# Allegro board 1281021_HW-FMC-XM500_Rev1_0.brd (continued)
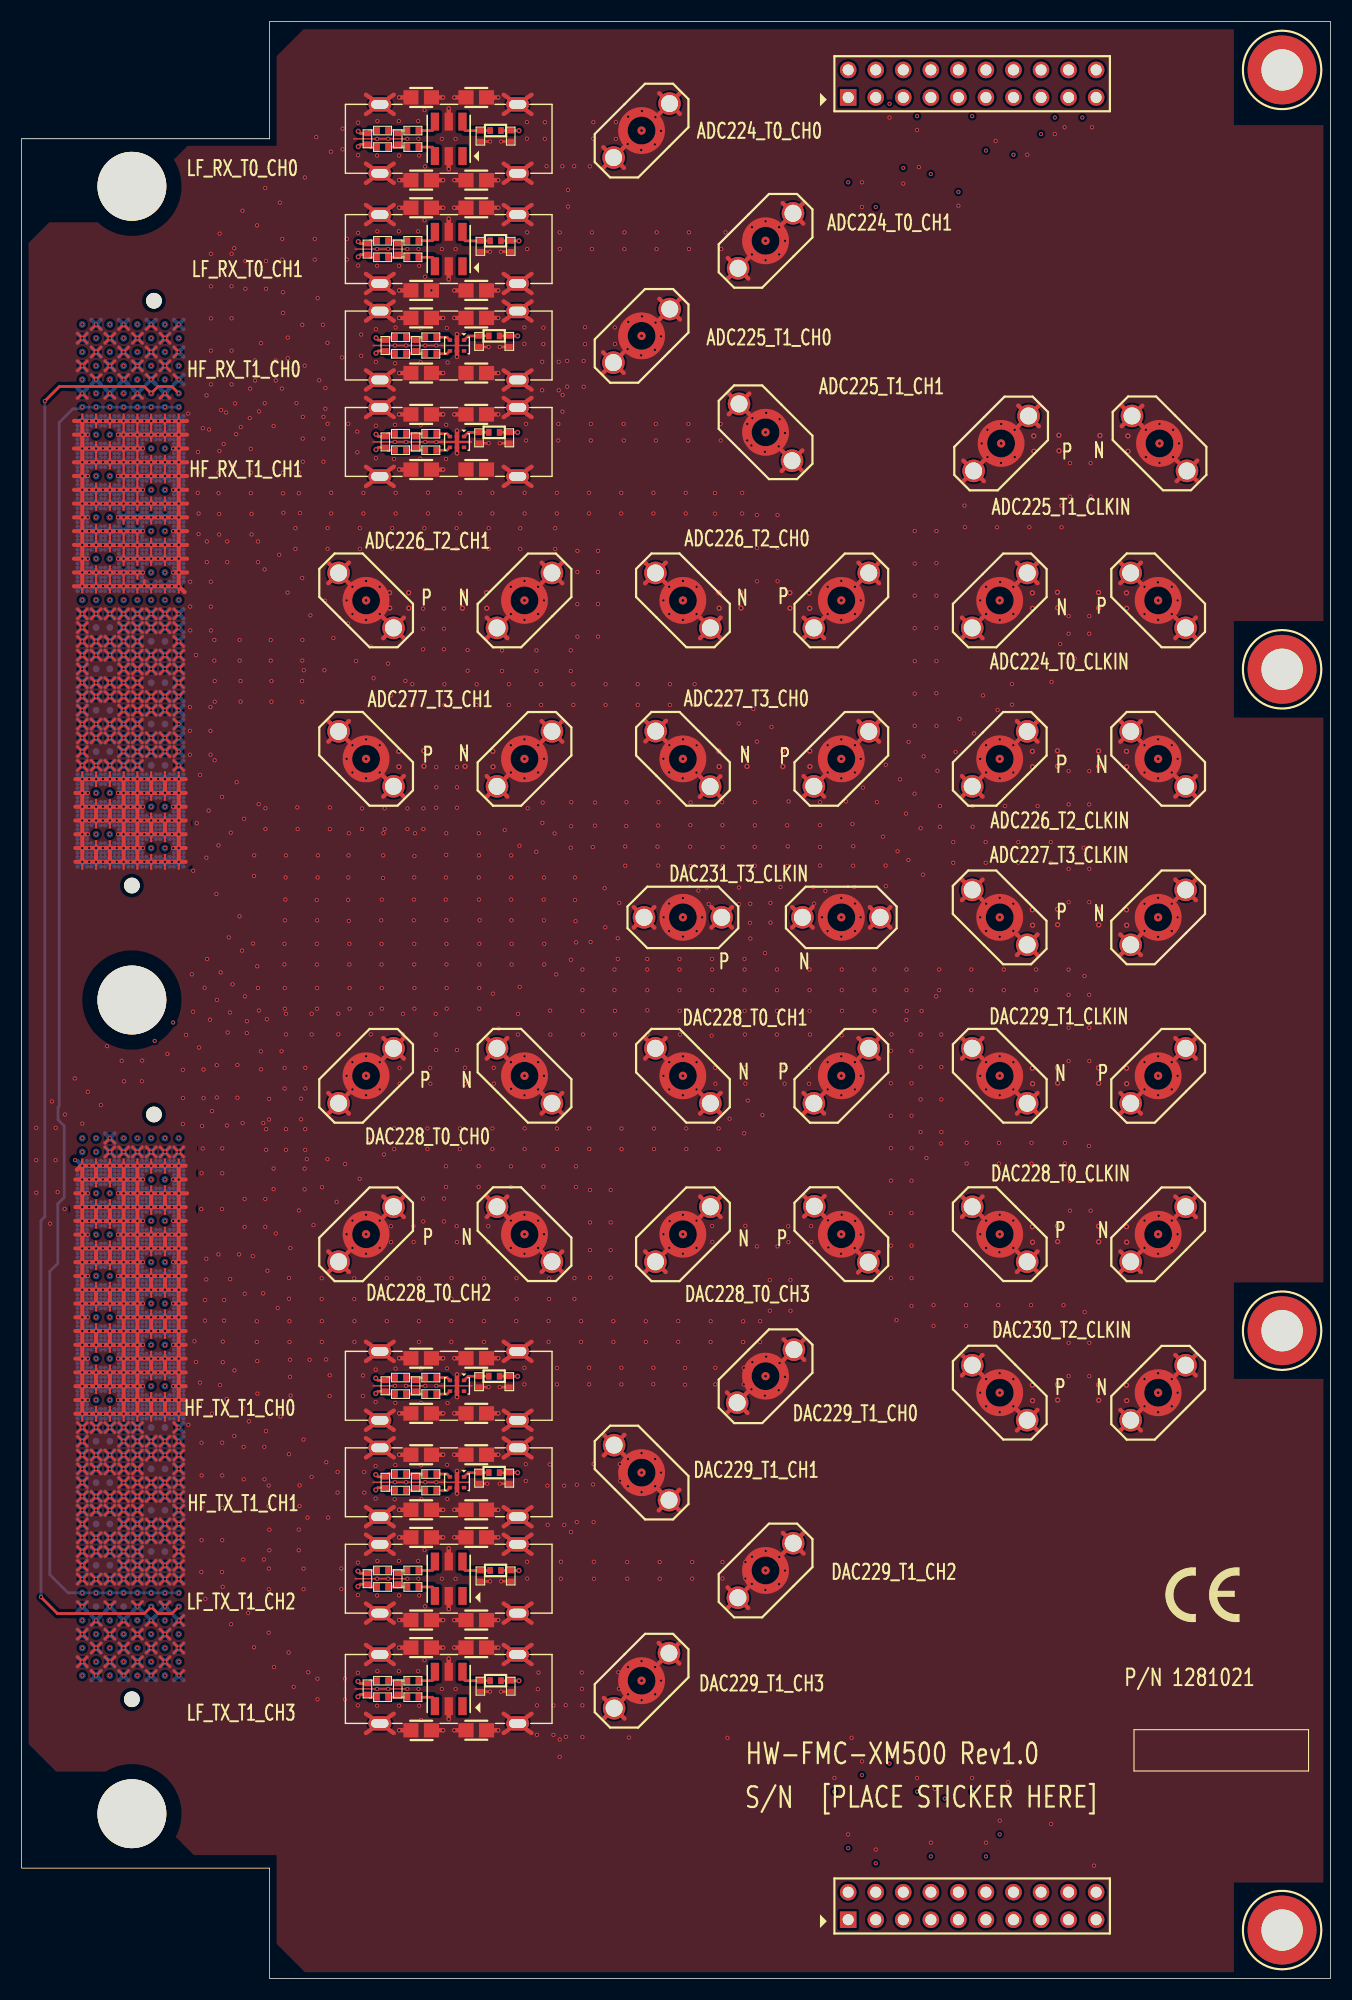
[diagram p0: board, top side]
## Copper pours and planes (outline as drawn; the poured copper is in the pictures) (continued)
AGND on L02_GND/RF-SIG (solid shape): 15.77,130.97 16.04,130.79 16.26,130.72 16.59,130.67 16.44,130.56 16.1,130.56 15.75,130.74 15.52,130.72 12.46,130.71 12.45,130.72 12.45,130.89 12.53,130.97
AGND on TOP: 25.97,179.64 111.76,179.64 111.76,170.81 120.02,170.81 120.02,125.09 111.76,125.09 111.76,116.21 120.02,116.21 120.02,64.13 111.76,64.13 111.76,55.24 120.02,55.24 120.02,8.82 111.76,8.82 111.76,0.57 26.1,0.57 23.5,3.17 23.5,11.36 15.88,11.36 14.2,13.03 14.6,14.07 14.73,15.17 13.39,18.4 10.16,19.74 8.9,19.57 7.74,19.05 3.17,19.05 0.63,21.59 0.63,159.95 2.54,161.86 7.01,161.86 8.46,160.92 10.16,160.6 13.39,161.94 14.73,165.17 14.55,166.45 14.02,167.62 15.31,168.91 23.5,168.91 23.5,177.17 ; 43 cut-outs
AGND on TOP: 3.68,153.7 3.68,101.63 16.38,101.63 16.38,153.7
AGND on TOP: 3.68,78.77 3.68,26.7 16.38,26.7 16.38,78.77
AGND on BOTTOM: 25.97,179.64 111.76,179.64 111.76,170.81 120.02,170.81 120.02,125.09 111.76,125.09 111.76,116.21 120.02,116.21 120.02,64.13 111.76,64.13 111.76,55.24 120.02,55.24 120.02,8.82 111.76,8.82 111.76,0.57 26.1,0.57 23.5,3.17 23.5,11.43 15.81,11.43 14.2,13.03 14.6,14.07 14.73,15.17 13.39,18.4 10.16,19.74 8.9,19.57 7.74,19.05 3.17,19.05 0.63,21.59 0.63,33.13 2.34,34.83 2.34,35.39 2.74,35.79 3.3,35.79 3.3,65.11 3.86,65.67 3.86,71.15 4.45,71.74 4.45,78.8 3.25,79.99 3.25,145.07 0.63,147.68 0.63,159.95 2.54,161.86 7.01,161.86 8.46,160.92 10.16,160.6 13.39,161.94 14.73,165.17 14.55,166.45 14.02,167.62 15.31,168.91 23.5,168.91 23.5,177.17 ; 41 cut-outs
AGND on L02_GND/RF-SIG: 0.63,159.95 2.54,161.86 12.7,161.86 13.97,163.13 13.97,167.57 15.24,168.84 23.5,168.84 23.5,177.1 26.04,179.64 111.76,179.64 111.76,170.75 120.02,170.75 120.02,125.03 111.76,125.03 111.76,116.14 120.02,116.14 120.02,64.07 111.76,64.07 111.76,55.18 120.02,55.18 120.02,8.82 111.76,8.82 111.76,1.2 25.4,1.2 23.5,3.11 23.5,11.36 15.88,11.36 13.97,13.27 13.97,17.71 12.7,18.98 3.17,18.98 0.63,21.52 ; 96 cut-outs
AGND on L03_GND: 2.54,161.86 0.63,159.95 0.63,21.59 3.17,19.05 12.7,19.05 13.97,17.78 13.97,13.27 15.88,11.36 23.5,11.36 23.5,3.17 25.4,1.27 111.76,1.27 111.76,8.89 120.02,8.89 120.02,55.24 111.76,55.24 111.76,64.13 120.02,64.13 120.02,116.21 111.76,116.21 111.76,125.09 120.02,125.09 120.02,170.81 111.76,170.81 111.76,179.64 25.97,179.64 23.5,177.17 23.5,168.91 15.31,168.91 13.97,167.57 13.97,163.13 12.7,161.86 ; 40 cut-outs
AGND on L04_GND: 2.54,161.86 0.63,159.95 0.63,21.59 3.88,18.35 13.4,18.35 13.97,17.78 13.97,13.27 15.88,11.36 23.5,11.36 23.5,3.17 25.4,1.27 111.76,1.27 111.76,8.89 119.38,8.89 119.38,55.24 111.76,55.24 111.76,64.13 120.02,64.13 120.02,116.21 111.76,116.21 111.76,125.09 120.02,125.09 120.02,170.81 111.76,170.81 111.76,179.64 25.97,179.64 23.5,177.17 23.5,168.91 15.31,168.91 13.97,167.57 13.97,163.13 12.7,161.86 ; 42 cut-outs
(no net) on L05_SIG: 12.7,161.86 13.97,163.13 13.97,167.57 15.31,168.91 23.5,168.91 23.5,177.17 25.97,179.64 111.76,179.64 111.76,170.81 120.02,170.81 120.02,125.09 111.76,125.09 111.76,116.21 120.02,116.21 120.02,64.13 111.76,64.13 111.76,55.24 120.02,55.24 120.02,8.89 111.76,8.89 111.76,1.27 25.4,1.27 23.5,3.17 23.5,11.36 15.88,11.36 13.97,13.27 13.97,17.08 12.7,18.35 3.88,18.35 0.63,21.59 0.63,159.95 2.54,161.86 ; 62 cut-outs

Small or netless copper shapes (teardrops, artwork), in the pictures only: 4 on TOP, 1 on L02_GND/RF-SIG

## Text on the board
BOTTOM: 06 | L06_BOTTOM
Board Geometry/Soldermask Bottom: L10_BOT_MASK
Package Geometry/Pastemask Bottom: 12 | L12_BOT_PASTE
Ref Des/Silkscreen Bottom: 2018 Xilinx, Incorporated | 08 | L08_BOT_SILK | c
User.Comments: 09 | 10
TOP: 01 | L01_TOP
Board Geometry/Soldermask Top: L09_TOP_MASK
Package Geometry/Pastemask Top: 11 | L11_TOP_PASTE
Ref Des/Silkscreen Top: 07 | L07_TOP_SILK | HF_TX_T1_CH0 | LF_RX_T0_CH0 | LF_TX_T1_CH2 | LF_TX_T1_CH3 | HF_RX_T1_CH0 | HF_TX_T1_CH1 | HF_RX_T1_CH1 | LF_RX_T0_CH1 | DAC228_T0_CH0 | ADC226_T2_CH1 | DAC228_T0_CH2 | ADC277_T3_CH1 | P | N | DAC231_T3_CLKIN | DAC228_T0_CH1 | ADC227_T3_CH0 | ADC226_T2_CH0 | DAC228_T0_CH3 | DAC229_T1_CH1 | ADC224_T0_CH0 | DAC229_T1_CH3 | ADC225_T1_CH0 | DAC229_T1_CH0 | ADC225_T1_CH1 | ADC224_T0_CH1 | DAC229_T1_CH2 | DAC229_T1_CLKIN | ADC227_T3_CLKIN | ADC224_T0_CLKIN | ADC226_T2_CLKIN | DAC228_T0_CLKIN | ADC225_T1_CLKIN | DAC230_T2_CLKIN | P/N 1281021 | S/N | HW-FMC-XM500 Rev1.0 | [PLACE STICKER HERE]
L02_GND/RF-SIG: 02 | L02_SIGNAL
L03_GND: 03 | L03+GND
L04_GND: 04 | L04_GND
L05_SIG: 05 | L05_SIGNAL
XSECTION_CHART: *  SURFACE - AIR 0 MIL(+0/-0) | *  DIELECTRIC - CONFORMAL_COAT 0.8 MIL(+0/-0) | L1 TOP CONDUCTOR - 05OZ_COPPER 2 MIL(+0/-0) | *  DIELECTRIC - P_1067-SPLDK[745]2H 2.63 MIL(+0/-0) | L2 L02_GND/RF-SIG PLANE - 05OZ_HVLP_CU 0.6 MIL(+0/-0) | *  DIELECTRIC - C_2X1067-SPLDK[745] 5 MIL(+0/-0) | L3 L03_GND PLANE - 05OZ_COPPER 0.6 MIL(+0/-0) | *  DIELECTRIC - 370_PRE_1080(66) 8.21 MIL(+0/-0) | *  DIELECTRIC - 370_CORE_1080 21 MIL(+0/-0) | *  DIELECTRIC - 370_PRE_1080(66) 5.6 MIL(+0/-0) | L4 L04_GND PLANE - 05OZ_COPPER 0.6 MIL(+0/-0) | L5 L05_SIG CONDUCTOR - 05OZ_HVLP_CU 0.6 MIL(+0/-0) | *  DIELECTRIC - P_1067-SPLDK[745]2H 2.4 MIL(+0/-0) | L6 BOTTOM PLANE - 05OZ_COPPER 2 MIL(+0/-0) | TOTAL THICKNESS 92.31 MIL | DESIGN CROSS SECTION CHART | ___________________________ | 1-6 | 1-2
PAGE_OUTLINE: R | DATE | SCALE | SIZE | 1.0 | REV | DESCRIPTION | REVISIONS | APPROVED | NONE | UNLESS OTHERWISE SPECIFIED | DIMENSIONS ARE IN INCHES | TOLERANCES ON; | 2 PL DECIMALS +/- .010 | 3 PL DECIMALS +/- .005 | ANGLES + | FRACTIONS + | DRAWN | CHECKED | ENGRG | ISSUED | SIGNATURES | SAN JOSE, CA 95124 | 2100 LOGIC DR. | HWCP - HARDWARE & CONFIGURATION PLATFORMS | 06/14/18 | 01/25/18 | XXXXXX | GREG I. | ARTWORK, ROHS COMPLIANT, HW-FMC-XM500 | PCB #    1281021 | Designed by Xilinx | BOARD designer: | SHEET     OF 12 | DATE: | LAYER: | PHONE: | XILINX DOC USE ONLY | REVISION: 1.0 | 06/14/2018 | 408-879-6870 | FSCM NO | DWG NO | SHEET | VER | D | 01
DIMENSION: - | OUTER | INNER | LAYERS | LAYER | SINGLE | ENDED | LINE | WIDTH | 9mil | 5mil | DIFF | PAIR | 10mil | SPACE | 50 OHMS  100 OHMS | SINGLE   DIFF | +/- 5% | 1281021 | LINE WIDTH IMPEDANCE CHART [MILS] | 07_ | 08_ | 01_ | 02_ | 03_ | 04_ | 05_ | 06_ | FINISH: PLATE SELECTIVE HARD GOLD FINISH OF 2-10 MICRO INCHES OVER | SILKSCREEN TOP SIDE/BOTH SIDES WITH NON-CONDUCTIVE EPOXY BASED INK. | VENDOR LOGO AND DATE CODE TO BE MAKED FAR SIDE. | BOARD SHALL MEET  THE INSPECTION CRITERIA | MATERIAL: ISOLA ISPEED  THICKNESS .094" +/- 10% | WEIGHT OF ALL COPPER LAYERS SHALL NOT BE LESS | IMPEDANCE REQUITMENTS REFER TO CHART.  TOLERANCE +/-10% EXCEPT AS NOTED. | APPLY SOLDER MASK OVER BARE COPPER(SMBOC) IAW | BOTH SURFACES OF FAB WITH OVER 200 MICRO INCHES MINIMIUM OF NICKEL. | COLOR SHALL BE WHITE A CONTRASTING INK WITH RESPECT TO SOLDER MASK COLOR. | EPOXY INK ON PLATED LANDS IS NOT ACCEPTABLE. | DISTORTION OF SILKSCREEN IS ACCEPTABLE OVER TRACES. | MAXIMUM HEIGHT .12 INCHES. | IPC-SM-840,BOTH SIDES,USING LPI,COLOR GREEN | 0.5 OZ. PER SQUARE FOOT. | OF IPC-A-600,CLASS 2,CURRENT REVISION. | 09_ | 10_ | 11_ | 12_ | 13_ | 14_ | 15_ | 20_ | 19_ | 16_ | 17_ | 18_ | ALL VIA-IN-PADS TO BE COMPLETELY FILLED, PLANARIZED, SMOOTH | 100% ELECTRICAL TEST REQUIRED FOR CONTINUITY. BOARD SHALL HAVE A | REMOVE ALL UNUSED PADS FROM INTERNAL LAYERS. | SOLDER MASK  FOLLOW GERBER DATA FOR TOP & BOTTOM SIDE. | SOLDER MASK REGISTRATION TO BE WITHIN DIAMETRICAL TRUE POSITION | 274X GERBERS/ODB++ USED FOR FAB MUST BE VERIFIED AGAINST THE PROVIDED IPC NETLIST. | USE ARTMASTER # 1281021 REV 1.0 | DRILL SIZES IN CHART ARE CONSIDERED FINISHED SIZE. | AND PLATED OVER ON SURFACE.  USE SanEi NON-CONDUCTIVE EPOXY OR | BUILD BOARDS IN A PANEL (MINIMUM 4 BOARD) BEST FIT ARRAY. | BOARD MUST BE RoHS COMPLIANT.  VENDOR TO SUPPLY RoHS COMPLIANCY WITH BOARD. | BAKE BOARDS AT 225 DEGRESS FOR 4 HOURS TO REMOVE ANY MOISTURE AFTER FABRICAITON. | UL RATING OF 94V-0. UL SYMBOL AND RATING SHAL BE MARKED FARSIDE. | EQUIVALENT FILL MATERIALS  MINIMUM OF .0007 TO BE PLATED ON SURFACE. | VIA-IN-PAD MUST INCLUDE WRAP REQUIREMENTS PER IPC 6012B. | OF + / - 0.002 WITH APPLICABLE HOLE / PAD. | PROVIDE ARRAY GERBER FOR ASSEMBLY. ONCE YOU HAVE THE ARRAY. PLEASE SEND TO XILINX. | 1 OF 1 | NOTES: | MODULE FABRICAITON | HW-FMC-XM500
User.8: R34 | R28 | R55 | R49 | R43 | R48 | R35 | R41 | R20 | R26 | R13 | R18 | R1 | R7 | R62 | R57 | C10 | C16 | C15 | C13 | C14 | C12 | C11 | C1 | C2 | C9 | C8 | C7 | J26 | J22 | C6 | J34 | C5 | J39 | R92 | R87 | R79 | R89 | R72 | R80 | R77 | R63 | C18 | C17 | R68 | R67 | R70 | R83 | R66 | R88 | R76 | R85 | U6 | U7 | R73 | R69 | R91 | R65 | R71 | R84 | R75 | R81 | R86 | R78 | R74 | R94 | R82 | R64 | R93 | R90 | J35 | J40 | J23 | J27 | R115 | R118 | R116 | R117 | R112 | R114 | R113 | R111 | J900 | J25 | J32 | J21 | J8 | J3 | J33 | J20 | J37 | J899 | J889 | J893 | J895 | J898 | J891 | J31 | J28 | J29 | J892 | J896 | J897 | J894 | J30 | J890 | J9 | J10 | J6 | R31 | R38 | R52 | R45 | R23 | R15 | R4 | R59 | R30 | R51 | R37 | R3 | R22 | R58 | U5 | U9 | U8 | U1 | U4 | U3 | R102 | R96 | R100 | R108 | R98 | R104 | R106 | R110 | R101 | R95 | R99 | R107 | R97 | R103 | R109 | R105 | R44 | R14 | J1 | J7 | J2 | J24 | J4 | J36 | J5 | MH16 | MH17 | MH15 | MH11 | MH12 | MH14 | MH13 | RFCAGE2 | RFCAGE3 | RFCAGE4 | RFCAGE6 | RFCAGE8 | RFCAGE7 | RFCAGE1 | RFCAGE5 | J888 | J333 | ASSEMBLY DRAWING | 1 OF 1 | TOP SIDE VIEW | BOTTOM SIDE VIEW | 3. REFERENCE SCHEMATIC (OR AVL) FOR BILL OF MATERIALS. | 4. Pb FREE ASSEMBLY. | IPC-A-610, CLASS 2, CURRENT REVISION. | 2. BAG AND TAG (OR MARK CONTAINER) WITH PART NUMBER. | 5. THE RF CAGES MAY BE HAND SOLDERED IF NEEDED BUT MUST | 6. TOURQUE ALL SMA SCREWS TO A MIN OF 2.5 - 3.0 INCH-POUNDS. | NOTES: (UNLESS OTHERWISE SPECIFIED) | 1. ASSEMBLE TO MEET INSPECTION CRITERIA OF | BE FLUSH WITH THE PCB TOP SURFACE. | 0432128 | HW_FMC_XM500
User.9: FIGURE | SIZE | 9.0 | 10.0 | 40.0 | 62.0 | 150.0 | 57.0 | 250.0 | 63.0x32.0 | ALL UNITS ARE IN MILS | TOLERANCE | +0.0/-10.0 | +3.0/-3.0 | +2.0/-2.0 | PLATED | NON-PLATED | QTY | 2515 | 88 | 40 | 80 | 4 | 3 | 32 | 2766 | TOTAL HOLES: | DRILL CHART: TOP to BOTTOM
User.10: FIGURE | SIZE | 10.0 | ALL UNITS ARE IN MILS | TOLERANCE | +0.0/-10.0 | PLATED | QTY | 64 | TOTAL HOLES: | DRILL CHART: TOP to L02_GND/RF-SIG
User.18: R34 | R28 | R55 | R49 | R43 | R48 | R35 | R41 | R20 | R26 | R13 | R18 | R1 | R7 | R62 | R57 | C10 | C16 | C15 | C13 | C14 | C12 | C11 | C1 | C2 | C9 | C8 | C7 | J26 | J22 | C6 | J34 | C5 | J39 | R92 | R87 | R79 | R89 | R72 | R80 | R77 | R63 | C18 | C17 | R68 | R67 | R70 | R83 | R66 | R88 | R76 | R85 | U6 | U7 | R73 | R69 | R91 | R65 | R71 | R84 | R75 | R81 | R86 | R78 | R74 | R94 | R82 | R64 | R93 | R90 | J35 | J40 | J23 | J27 | R115 | R118 | R116 | R117 | R112 | R114 | R113 | R111 | J900 | J25 | J32 | J21 | J8 | J3 | J33 | J20 | J37 | J899 | J889 | J893 | J895 | J898 | J891 | J31 | J28 | J29 | J892 | J896 | J897 | J894 | J30 | J890 | J9 | J10 | J6 | R31 | R38 | R52 | R45 | R23 | R15 | R4 | R59 | R30 | R51 | R37 | R3 | R22 | R58 | U5 | U9 | U8 | U1 | U4 | U3 | R102 | R96 | R100 | R108 | R98 | R104 | R106 | R110 | R101 | R95 | R99 | R107 | R97 | R103 | R109 | R105 | R44 | R14 | J1 | J7 | J2 | J24 | J4 | J36 | J5 | MH16 | MH17 | MH15 | MH11 | MH12 | MH14 | MH13 | RFCAGE2 | RFCAGE3 | RFCAGE4 | RFCAGE6 | RFCAGE8 | RFCAGE7 | RFCAGE1 | RFCAGE5
